# Altium PCB BabbleVR_PCB.PcbDoc
Units mm, origin at the board's own origin, x right, y up, seen from the top; angles counter-clockwise.
Board outline 36 x 37 mm, 4 copper layers (Top Layer, Int1 (PWR), Int2 (GND), Bottom Layer), stack 0.971 mm thick; 69 components, 58 nets, 267 pads, 144 vias.
Unrouted connection lines stored in the file: 12.
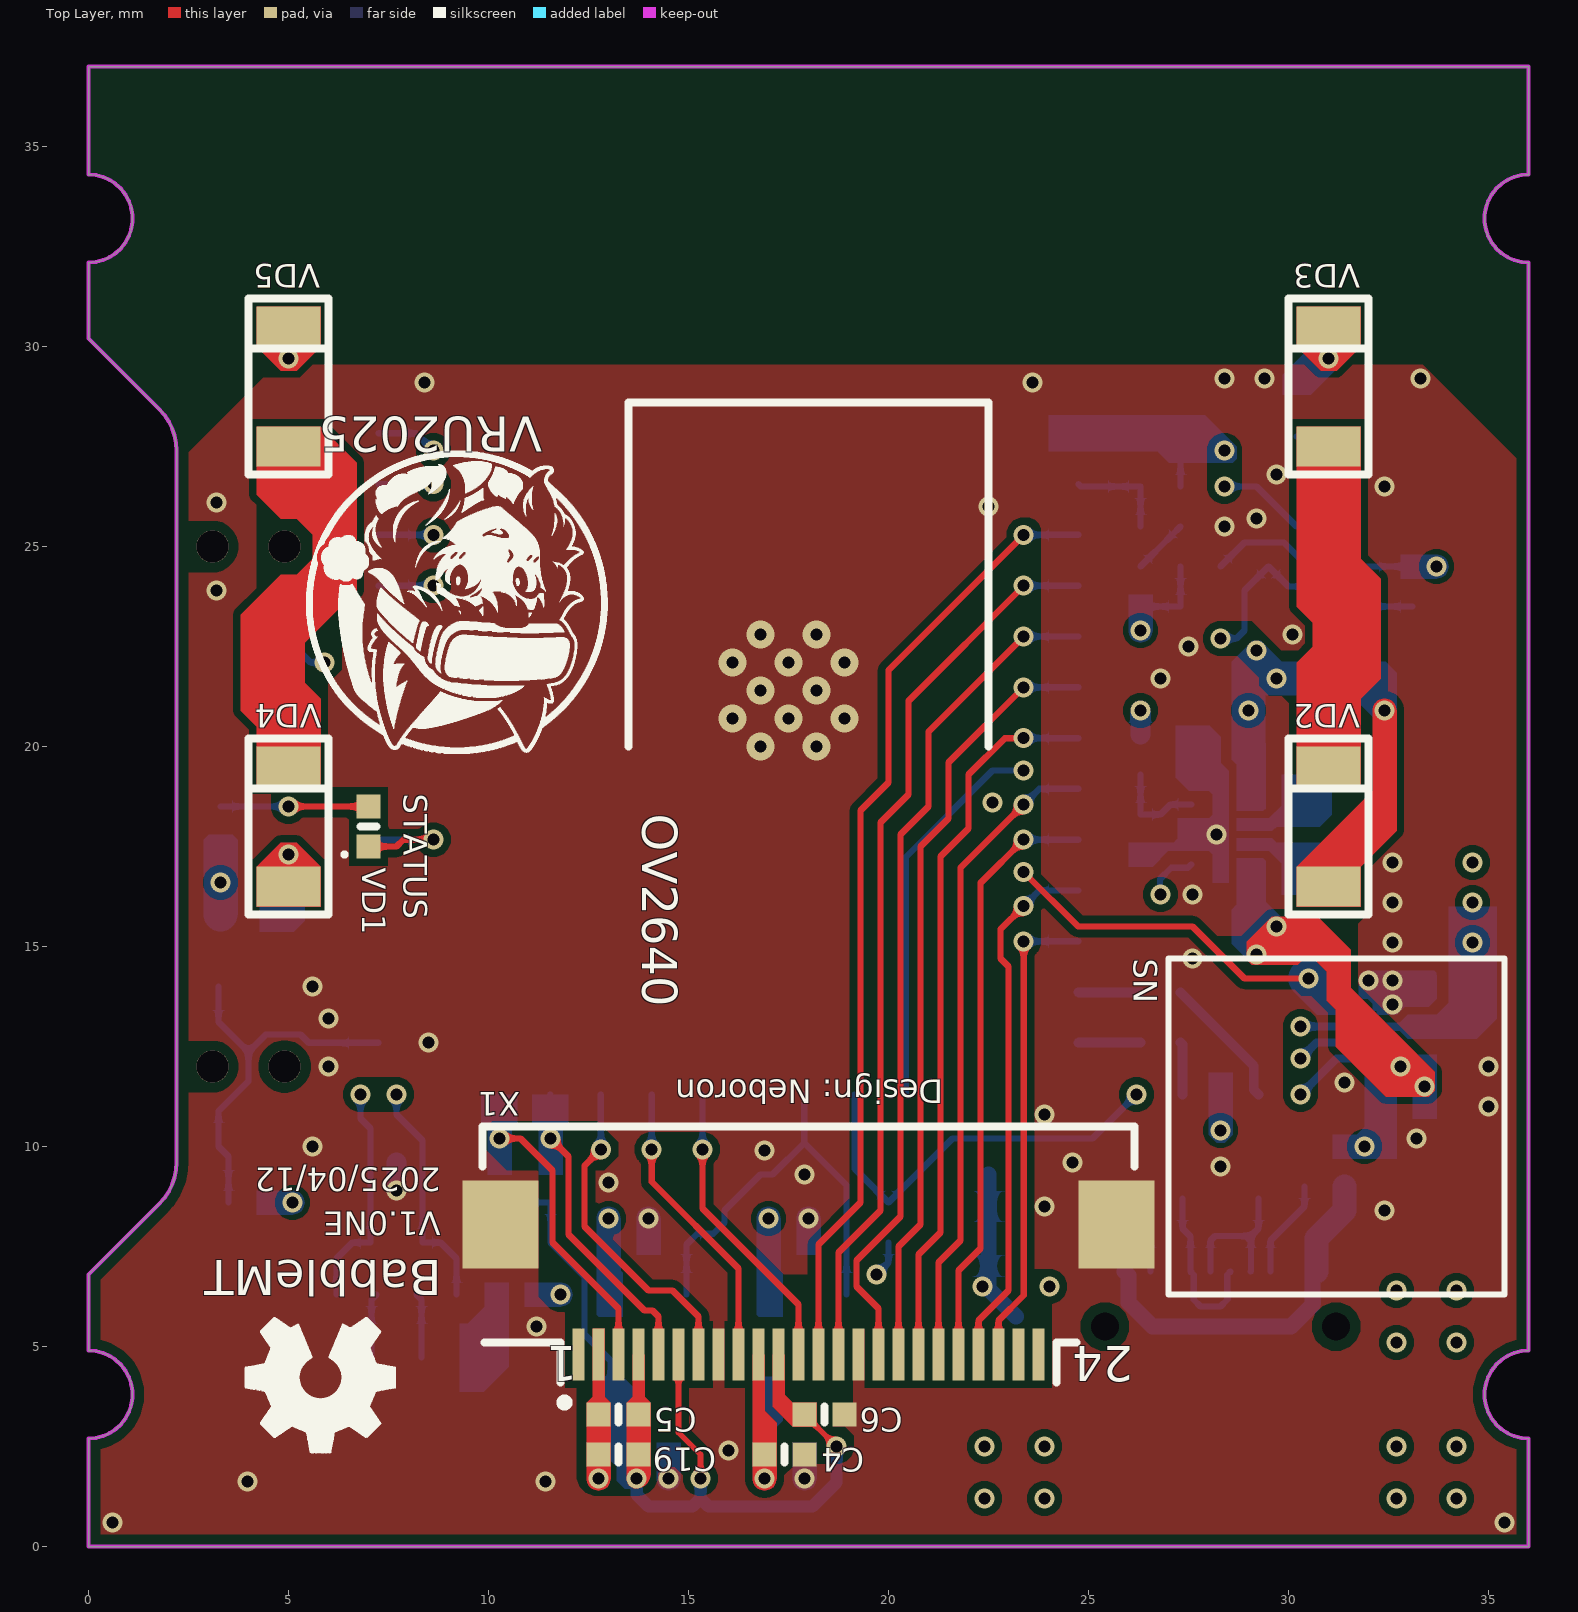
[diagram p0: Top Layer view]
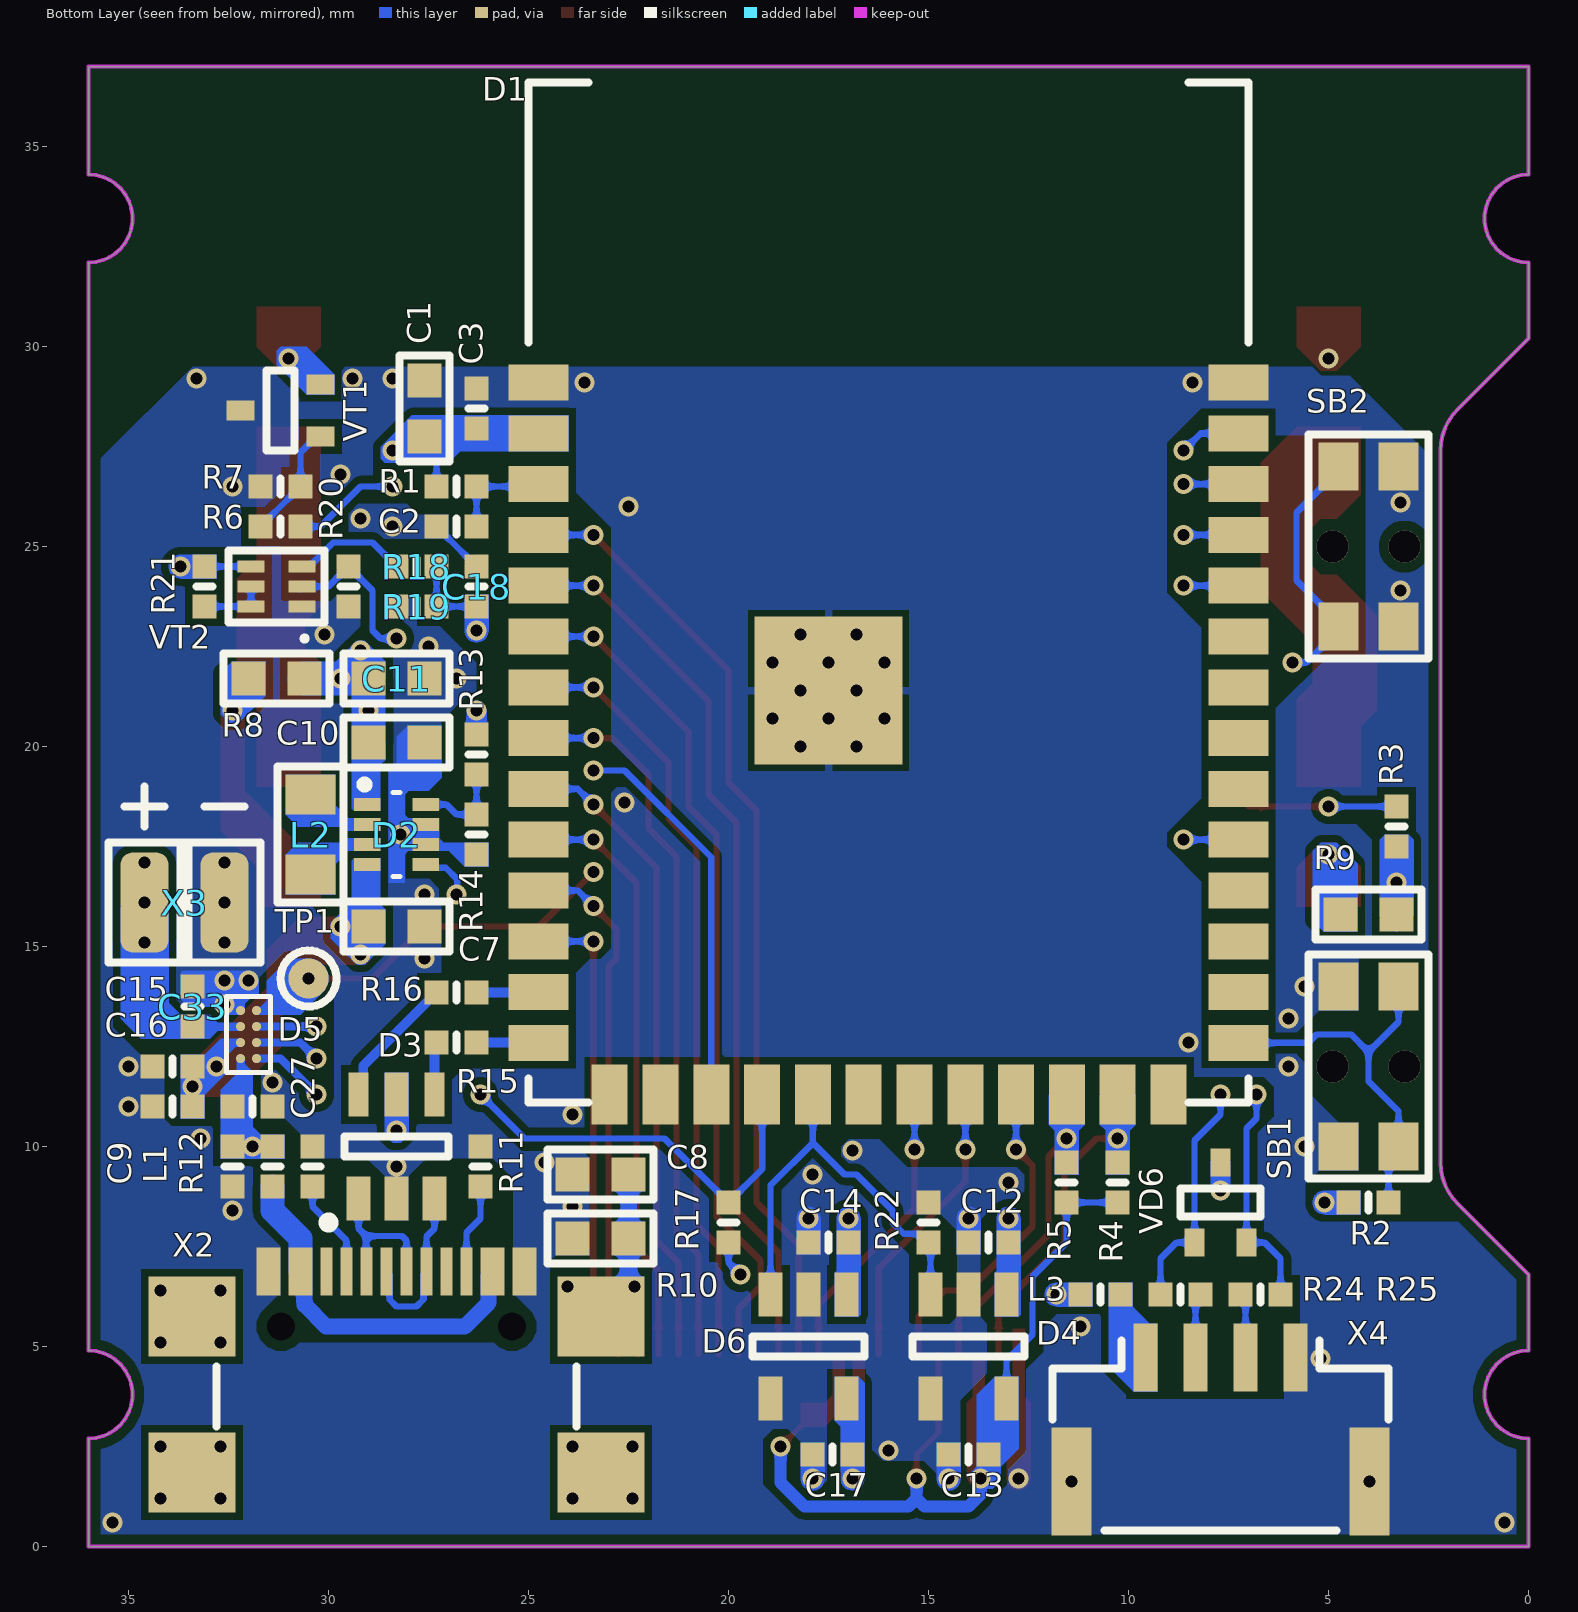
[diagram p1: Bottom Layer view, seen from below]
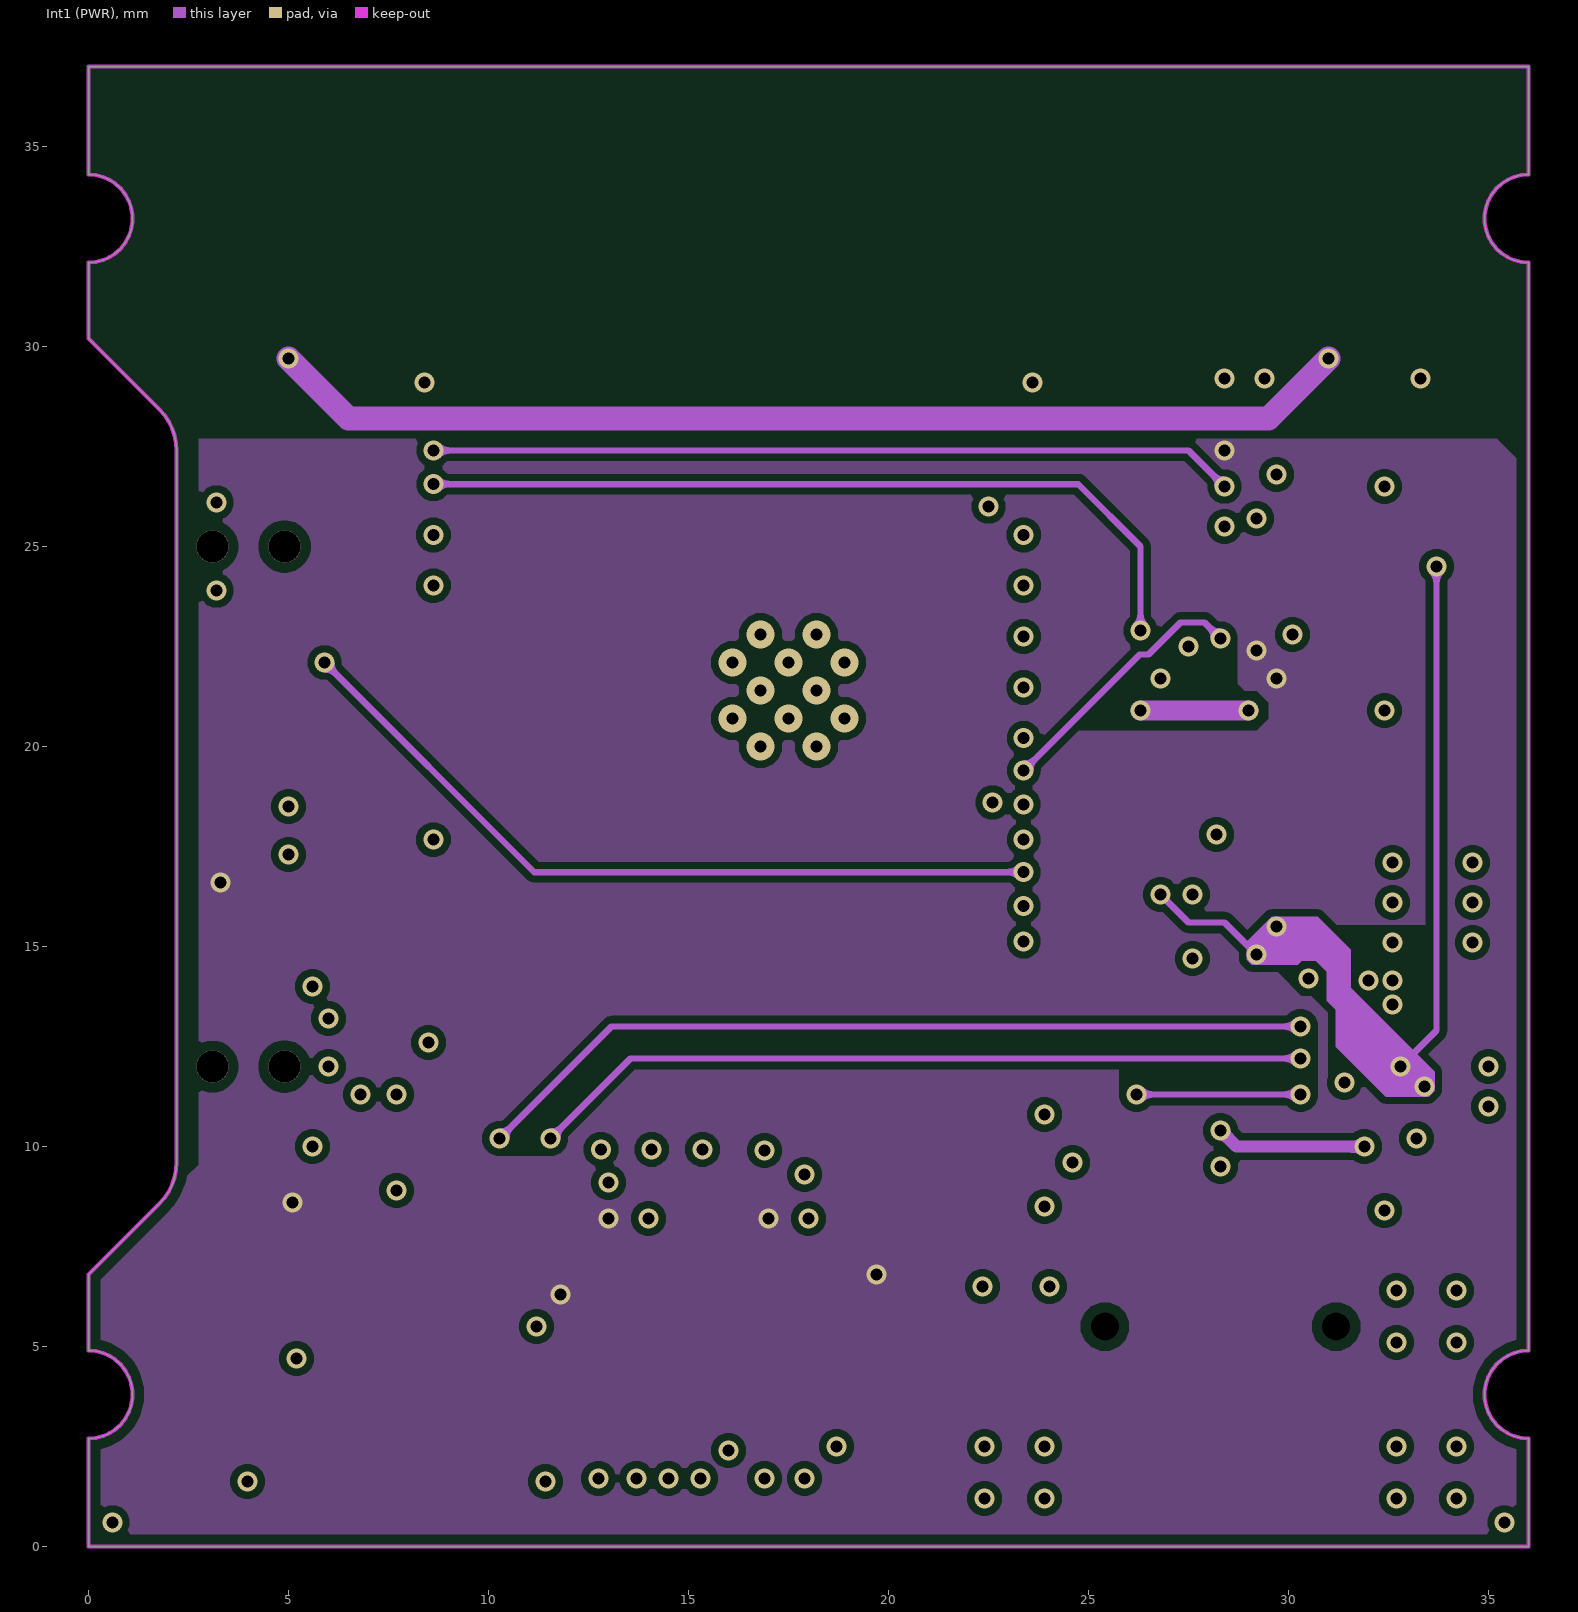
[diagram p2: Int1 (PWR)]
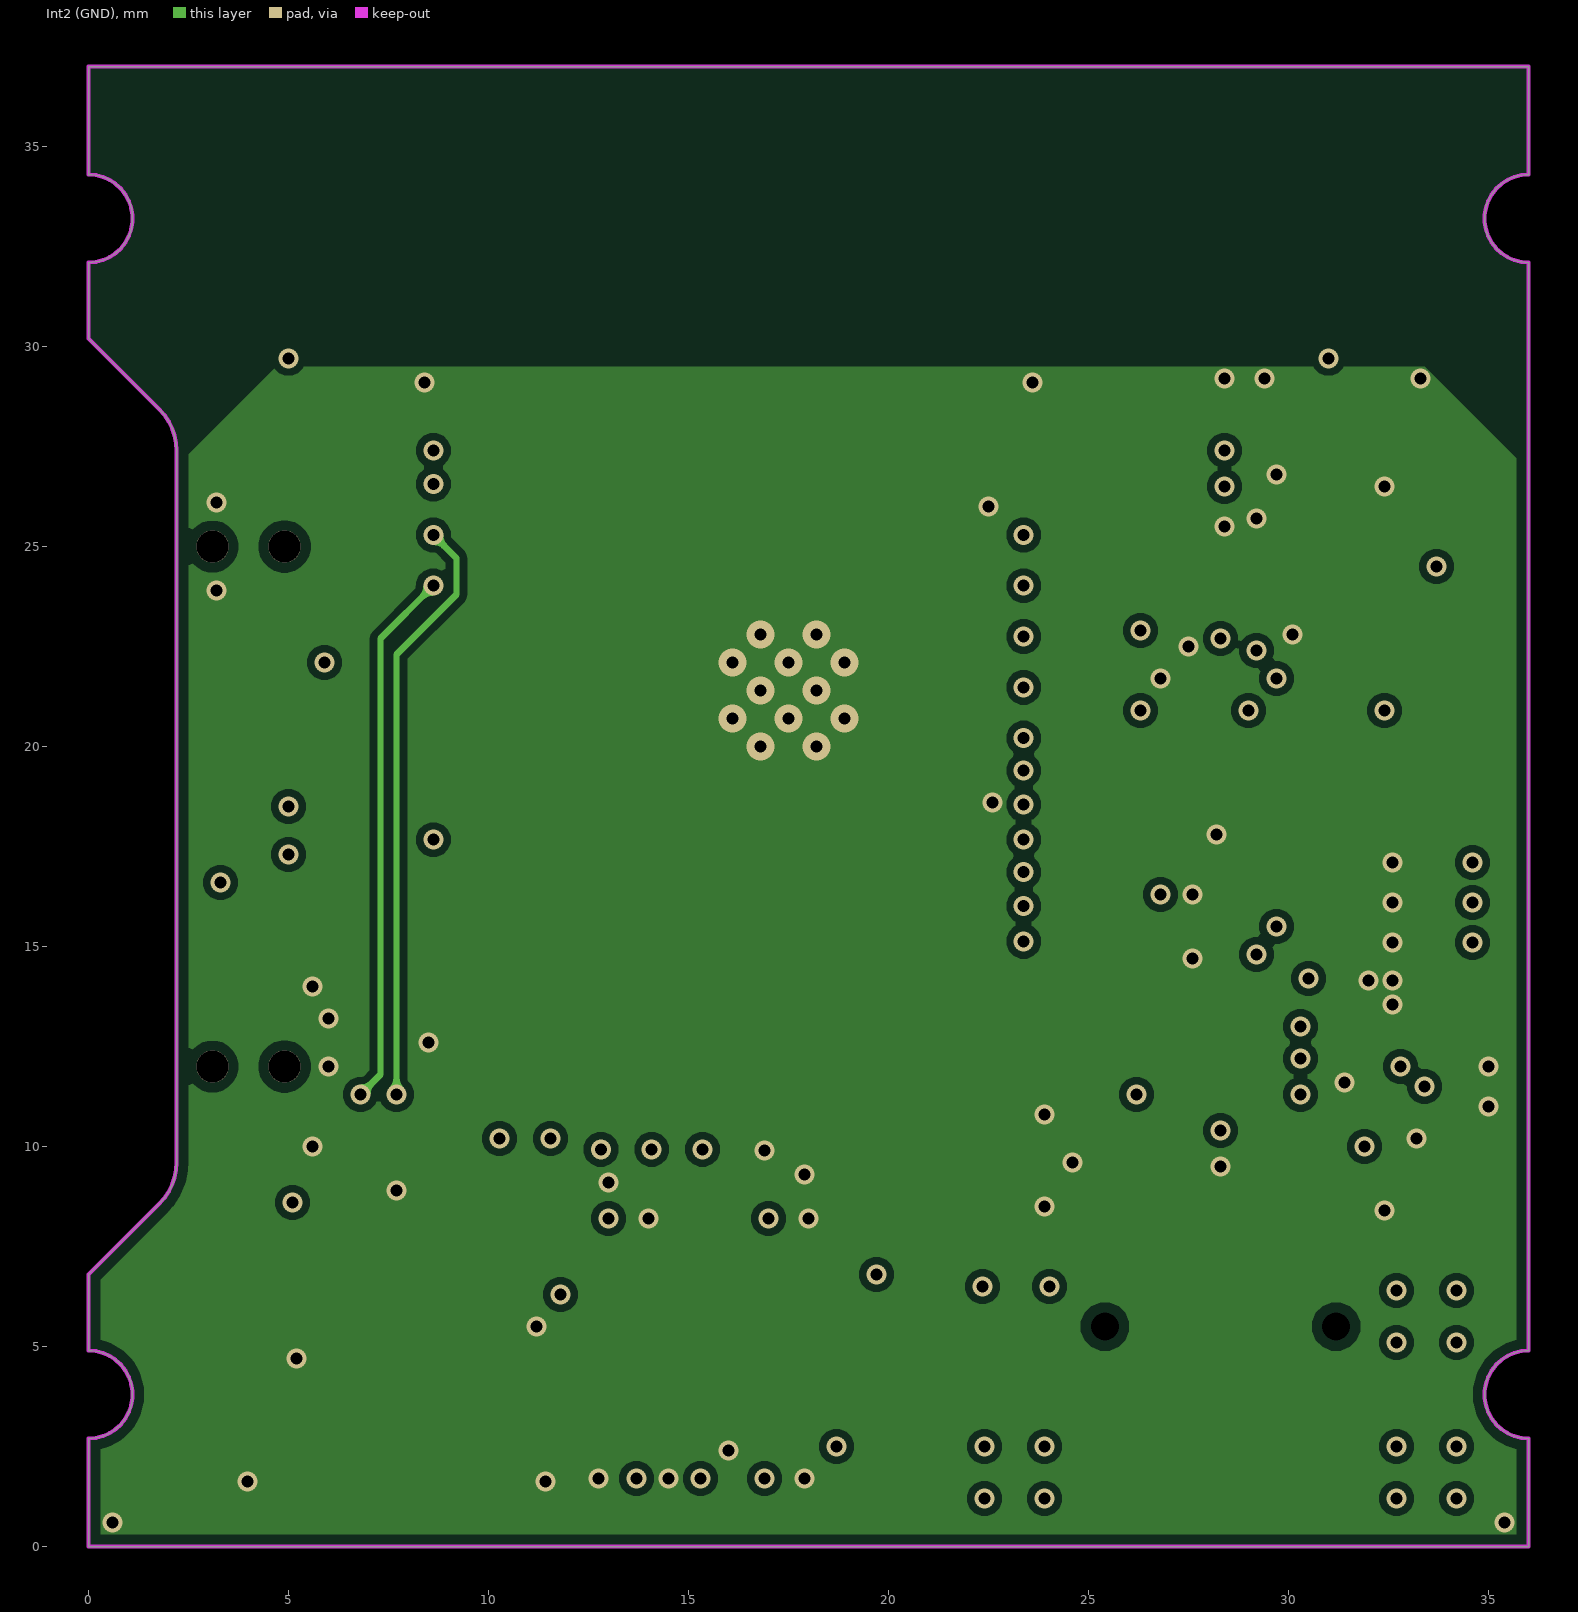
[diagram p3: Int2 (GND)]
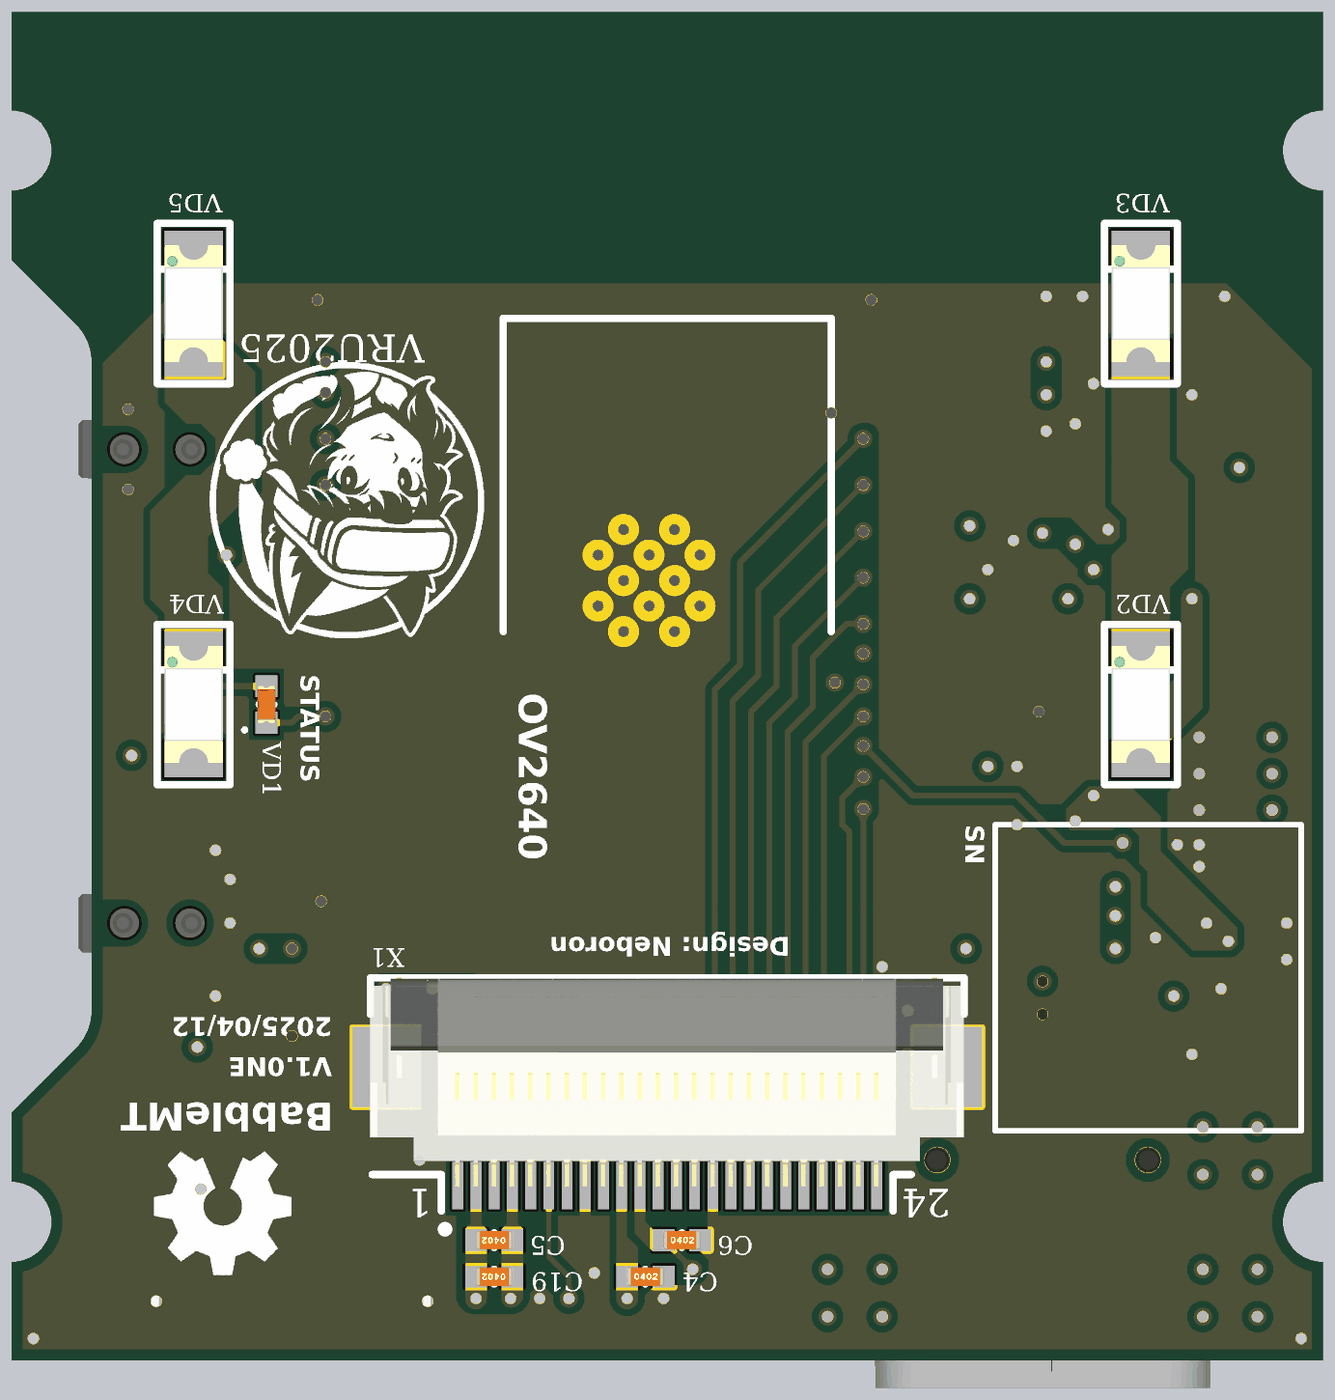
[diagram p4: 3D render of the assembled board from above, using the file's embedded part models]
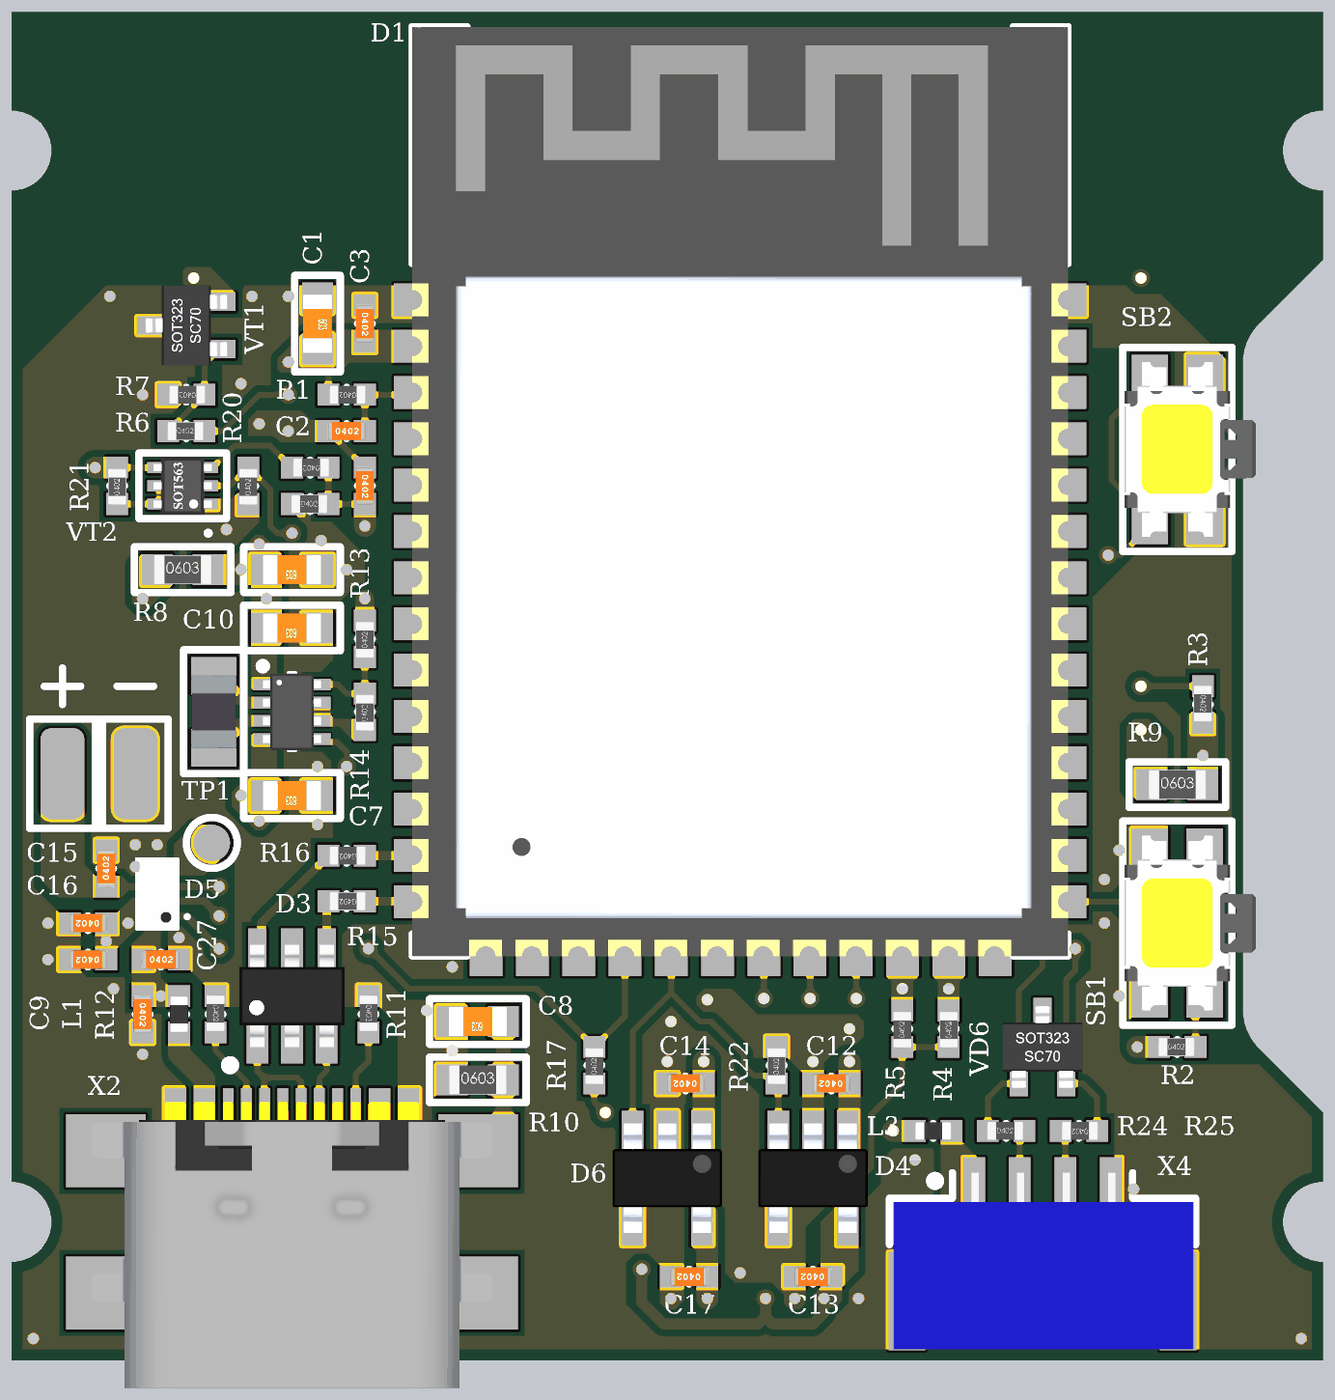
[diagram p5: 3D render of the assembled board from below, using the file's embedded part models]

## Layer stack, top to bottom
Top Solder: solder mask 0.02, SM-001, Dk 3.8
Top Layer: signal copper 0.035
Dielectric 2: prepreg 0.2104, PP-022, Dk 4.6
Int1 (PWR): signal copper 0.0152
Dielectric 3: core 0.45, Core-039, Dk 4.6
Int2 (GND): signal copper 0.0152
Dielectric 4: prepreg 0.2104, PP-022, Dk 4.6
Bottom Layer: signal copper 0.035
Bottom Solder: solder mask 0.02, SM-001, Dk 3.8

## Board outline
0,0 0,2.7 ccw(c0,3.8) 0,4.9 0,6.8 1.776,8.576 ccw(c0.751,9.6) 2.2,9.6 2.2,27.4 ccw(c0.751,27.4) 1.776,28.424 0,30.2 0,32.1 ccw(c0,33.2) 0,34.3 0,37 36,37 36,34.3 ccw(c36,33.2) 36,32.1 36,4.9 ccw(c36,3.8) 36,2.7 36,0

## Design rules (kind name [scope] priority, off if disabled: settings)
BoardOutlineClearance [All] p1: gap=0.2 ignorepadtopadclearanceinfootprint=FALSE except(0.3: Poly-OutlineEdge Poly-CavityEdge Poly-CutoutEdge Poly-SplitBarrior Poly-SplitContinuation)
Clearance Clearance_RF [InNetClass('RF')] p1: gap=0.2 ignorepadtopadclearanceinfootprint=FALSE
Clearance [All] p2: gap=0.18 ignorepadtopadclearanceinfootprint=FALSE except(0.102: Arc-Arc Arc-Track Arc-SMDPad Arc-THPad Arc-Text Track-Track Track-SMDPad Track-THPad Track-Text SMDPad-SMDPad SMDPad-THPad SMDPad-Text THPad-THPad THPad-Text Fill-Text Poly-Text Region-Text Text-Text; 0.127: Arc-Via Track-Via SMDPad-Via THPad-Via Via-Via Via-Text; 0.25: Arc-Hole Track-Hole SMDPad-Hole THPad-Hole Via-Hole Fill-Hole Poly-Hole Region-Hole Text-Hole)
ComponentClearance [All] p1: gap=0 collisioncheckmode=3 verticalgap=0 showdistances=TRUE
DiffPairsRouting [All] p1: maxlimit=0.102 minlimit=0.102 mostfreqgap=0.102 toplayer_minwidth=0.102 toplayer_maxwidth=1816.048 toplayer_prefwidth=0.102 midlayer1_minwidth=0.102 midlayer1_maxwidth=1816.048 midlayer1_prefwidth=0.102 midlayer2_minwidth=0.102 midlayer2_maxwidth=1816.048 midlayer2_prefwidth=0.102 bottomlayer_minwidth=0.102 bottomlayer_maxwidth=1816.048 bottomlayer_prefwidth=0.102 maxuncoupledlength=12.7
Height [All] p1: minheight=0 maxheight=1816.048 prefheight=12.7
HoleSize [All] p1: absolutevalues=TRUE maxlimit=6.3 minlimit=0.18 maxpercent=80.000 minpercent=20.000
HoleToHoleClearance [All] p1: gap=0.25 allowstackedmicrovias=FALSE
MinimumAnnularRing [All] p1: minimumring=0.076
MinimumSolderMaskSliver [All] p1: minsoldermaskwidth=0
PlaneClearance [All] p1: clearance=0.2
PlaneConnect PlaneConnectPowerPads [InPadClass('PowerPads')] p1: planeconnectstyle=Direct reliefexpansion=0.508 reliefentries=4 reliefconductorwidth=0.254 reliefairgap=0.254
PlaneConnect [All] p2: pad.planeconnectstyle=Relief pad.reliefexpansion=0.3 pad.reliefentries=4 pad.reliefconductorwidth=0.2 pad.reliefairgap=0.16 via.planeconnectstyle=Direct via.reliefexpansion=0.3 via.reliefentries=4 via.reliefconductorwidth=0.127 via.reliefairgap=0.127
PolygonConnect PolygonConnectPowerPads [All vs (InPadClass('PowerPads'))] p1: connectstyle=Direct reliefconductorwidth=0.254 reliefentries=4 polygonreliefangle="90 Angle" airgapwidth=0.254
PolygonConnect [All] p2: thpad.connectstyle=Relief thpad.reliefconductorwidth=0.2 thpad.reliefentries=4 thpad.polygonreliefangle="90 Angle" thpad.airgapwidth=0.16 smdpad.connectstyle=Relief smdpad.reliefconductorwidth=0.2 smdpad.reliefentries=4 smdpad.polygonreliefangle="90 Angle" smdpad.airgapwidth=0.16 via.connectstyle=Direct via.reliefconductorwidth=0.127 via.reliefentries=4 via.polygonreliefangle="90 Angle" via.airgapwidth=0.127
RoutingVias [All] p1: holewidth=0.2 width=0.45 viastyle="Through Hole" minholewidth=0.2 minwidth=0.4 maxholewidth=6.3 maxwidth=6.55
SilkToSilkClearance [All] p1: silktosilkclearance=0
SilkToSolderMaskClearance [IsPad] p1: minsilkscreentomaskgap=0 clearancetoexposedcopper=TRUE
SolderMaskExpansion [All] p1: expansion=0.075 istentingtop=FALSE
SupplyNets "Schematic Supply Nets_7" [InNet('2V8')] p1: voltage=0.000
SupplyNets "Schematic Supply Nets_6" [InNet('1V2')] p2: voltage=0.000
SupplyNets "Schematic Supply Nets_5" [InNet('VBAT')] p3: voltage=0.000
SupplyNets "Schematic Supply Nets_4" [InNet('5V_USB')] p4: voltage=0.000
SupplyNets "Schematic Supply Nets_3" [InNet('3V3')] p5: voltage=0.000
SupplyNets "Schematic Supply Nets_2" [InNet('SYS')] p6: voltage=0.000
SupplyNets "Schematic Supply Nets_1" [InNet('GND')] p7: voltage=0.000
Width RF [InNetClass('RF')] p1: maxlimit=0.292 minlimit=0.2 preferedwidth=0.292 toplayer_prefwidth=0.289 bottomlayer_prefwidth=0.289 impedanceprofiledriven=TRUE impedanceprofileid={C4BC6749-9E0F-40D6-8428-466772834BC3} impedanceprofilevalue=50.000000 minimp=50.000000 maximp=50.000000 favimp=50.000000
Width [All] p2: maxlimit=1816.048 minlimit=0.102 preferedwidth=0.102
20 further rules are at their usual default settings.

## Classes and differential pairs
component class Sheet_2_Power: C7 C8 C9 C10 C11 C12 C13 C14 C15 C16 C17 C18 C27 C33 D2 D3 D4 D5 D6 L1 L2 R10 R11 R12 R13 R14 R15 R16 R17 R18 R19 R20 R21 R22 SB2 TP1 VT2 X2 X3
component class Sheet_1_MCU: C1 C2 C3 C4 C5 C6 C19 D1 L3 R1 R2 R3 R4 R5 R6 R7 R8 R9 R24 R25 SB1 VD1 VD2 VD3 VD4 VD5 VD6 VD12 VT1 X1 X4
differential pair USBD: +USBD_P -USBD_N

## Components (designator, comment, footprint, x,y, rotation, side; value= is the part's Value field where it differs from the comment)
C1 "Ceramic capacitor, 22uF, X5R, ±10%, 6.3V, 0603, -55...+125°C" "CAP: 0603" 27.6,28.45 r270 bottom value=22uF
C2 "Ceramic capacitor, 1uF, X7R, ±10%, 6.3V, 0402, -55...+125°C" "CAP: 0402" 26.8,25.5 r180 bottom value=1uF
C3 "Ceramic capacitor, 100nF, X7R, ±10%, 16V, 0402, -55...+125°C" "CAP: 0402" 26.3,28.45 r270 bottom value=100nF
C4 "Ceramic capacitor, 4.7uF, X7R, ±10%, 16V, 0402, -55...+125°C" "CAP: 0402" 17.4,2.3 r0 top value=4.7uF
C5 "Ceramic capacitor, 4.7uF, X7R, ±10%, 16V, 0402, -55...+125°C" "CAP: 0402" 13.25,3.3 r180 top value=4.7uF
C6 "Ceramic capacitor, 4.7uF, X7R, ±10%, 16V, 0402, -55...+125°C" "CAP: 0402" 18.4,3.3 r0 top value=4.7uF
C7 "Ceramic capacitor, 22uF, X5R, ±10%, 6.3V, 0603, -55...+125°C" "CAP: 0603" 28.3,15.5 r0 bottom value=22uF
C8 "Ceramic capacitor, 0.1uF, X7R, ±10%, 16V, 0603, -55...+125°C" "CAP: 0603" 23.2,9.3 r0 bottom value=0.1uF
C9 "Ceramic capacitor, 0.1uF, X7R, ±10%, 16V, 0402, -55...+125°C" "CAP: 0402" 32.4,9.5 r270 bottom value=0.1uF
C10 "Ceramic capacitor, 22uF, X5R, ±10%, 6.3V, 0603, -55...+125°C" "CAP: 0603" 28.3,20.1 r0 bottom value=22uF
C11 "Ceramic capacitor, 22uF, X5R, ±10%, 6.3V, 0603, -55...+125°C" "CAP: 0603" 28.3,21.7 r0 bottom value=22uF
C12 "Ceramic capacitor, 1uF, X7R, ±10%, 16V, 0402, -55...+125°C" "CAP: 0402" 13.5,7.6 r0 bottom value=1uF
C13 "Ceramic capacitor, 1uF, X7R, ±10%, 16V, 0402, -55...+125°C" "CAP: 0402" 14,2.3 r0 bottom value=1uF
C14 "Ceramic capacitor, 1uF, X7R, ±10%, 16V, 0402, -55...+125°C" "CAP: 0402" 17.5,7.6 r0 bottom value=1uF
C15 "Ceramic capacitor, 1uF, X7R, ±10%, 16V, 0402, -55...+125°C" "CAP: 0402" 33.9,12 r0 bottom value=1uF
C16 "Ceramic capacitor, 1uF, X7R, ±10%, 16V, 0402, -55...+125°C" "CAP: 0402" 33.9,11 r0 bottom value=1uF
C17 "Ceramic capacitor, 1uF, X7R, ±10%, 16V, 0402, -55...+125°C" "CAP: 0402" 17.4,2.3 r0 bottom value=1uF
C18 "Ceramic capacitor, 100nF, X7R, ±10%, 16V, 0402, -55...+125°C" "CAP: 0402" 26.3,24 r270 bottom value=100nF
C19 "Ceramic capacitor, 4.7uF, X7R, ±10%, 16V, 0402, -55...+125°C" "CAP: 0402" 13.25,2.3 r180 top value=4.7uF
C27 "Ceramic capacitor, 1uF, X7R, ±10%, 16V, 0402, -55...+125°C" "CAP: 0402" 31.9,11 r180 bottom value=1uF
C33 "Ceramic capacitor, 1uF, X7R, ±10%, 16V, 0402, -55...+125°C" "CAP: 0402" 33.4,13.5 r90 bottom value=1uF
D1 "Wi-Fi module, WiFi 802.11 b/g/n (802.11n up to 150 Mbps) / Bluetooth v4.2 BR/EDR and BLE specification, 32 bit, SD card, UART, SPI, SDIO, I2C, LED PWM, Motor PWM, I2S, IR, pulse counter, GPIO, capacitive touch sensor, ADC, DAC, -40...+85°C, 18x25.5x3.1" "MOD: ESP32-S3-WROOM-1" 16,23.5 r180 bottom
D2 "DC/DC buck-boost converter, 1.6...5.5V, 2.4MHz, 1.2...5.3V, 1.5A, -40...+125°C, SOT-583" SOT583-8 28.3,17.8 r180 bottom
D3 "ESD protection, , 8kV, , -40...+125°C, SOT23-6L" SOT23-6 28.3,10 r90 bottom
D4 "Linear voltage regulator, 2.9...6V, 0.5V, 1.5V, 0.25A, -40...+85°C, SOT23-5" SOT23-5 14,5 r270 bottom
D5 "Charger li-ion battery, input 4.35...26V, , 1A, -40...+125°C, 8-DSBGA" 8-DSBGA 32,12.8 r0 bottom
D6 "Linear voltage regulator, 2...5.5V, 0.26V, 1.2V, 0.3A, -40...+85°C, SOT23-5" SOT23-5 18,5 r270 bottom
L1 "Fixed inductor, BEAD, ±25%, 0402, 900mA, -55...+125°C" "IND: 0402" 31.4,9.5 r270 bottom value=BEAD
L2 "Fixed inductor, 1μH, ±20%, 0805, 2.2A, -55...+125°C" "IND: 0805" 30.45,17.8 r270 bottom value=1μH
L3 "Fixed inductor, BEAD, ±25%, 0402, 900mA, -55...+125°C" "IND: 0402" 10.7,6.3 r180 bottom value=BEAD
R1 "Resistor film, 10k, ±5%, 0402, 0.063W, -55...+125°C" "RES: 0402" 26.8,26.5 r0 bottom value=10k
R2 "Resistor film, 10k, ±5%, 0402, 0.063W, -55...+125°C" "RES: 0402" 4,8.6 r180 bottom value=10k
R3 "Resistor film, 470R, ±5%, 0402, 0.063W, -55...+125°C" "RES: 0402" 3.3,18 r270 bottom value=470R
R4 "Resistor film, 10k, ±5%, 0402, 0.063W, -55...+125°C" "RES: 0402" 10.275,9.1 r90 bottom value=10k
R5 "Resistor film, 10k, ±5%, 0402, 0.063W, -55...+125°C" "RES: 0402" 11.55,9.1 r90 bottom value=10k
R6 "Resistor film, 22R, ±5%, 0402, 0.063W, -55...+125°C" "RES: 0402" 31.2,25.5 r180 bottom value=22R
R7 "Resistor film, 10k, ±5%, 0402, 0.063W, -55...+125°C" "RES: 0402" 31.2,26.5 r0 bottom value=10k
R8 "Resistor film, 9.1R, ±5%, 0603, 0.1W, -55...+125°C" "RES: 0603" 31.3,21.7 r180 bottom value=9.1R
R9 "Resistor film, 9.1R, ±5%, 0603, 0.1W, -55...+125°C" "RES: 0603" 4,15.8 r180 bottom value=9.1R
R10 "Resistor film, 330R, ±5%, 0603, 0.1W, -55...+125°C" "RES: 0603" 23.2,7.7 r180 bottom value=330R
R11 "Resistor film, 5.1k, ±5%, 0402, 0.063W, -55...+125°C" "RES: 0402" 26.2,9.5 r270 bottom value=5.1k
R12 "Resistor film, 5.1k, ±5%, 0402, 0.063W, -55...+125°C" "RES: 0402" 30.4,9.5 r270 bottom value=5.1k
R13 "Resistor film, 510k, ±5%, 0402, 0.063W, -55...+125°C" "RES: 0402" 26.3,19.8 r90 bottom value=510k
R14 "Resistor film, 91k, ±5%, 0402, 0.063W, -55...+125°C" "RES: 0402" 26.3,17.8 r90 bottom value=91k
R15 "Resistor film, 22R, ±5%, 0402, 0.063W, -55...+125°C" "RES: 0402" 26.8,12.6 r0 bottom value=22R